# EAGLE board Mk4 Final a Panel score 2x5 (EAGLE 9.0.1), part 11 of 29 (continued)
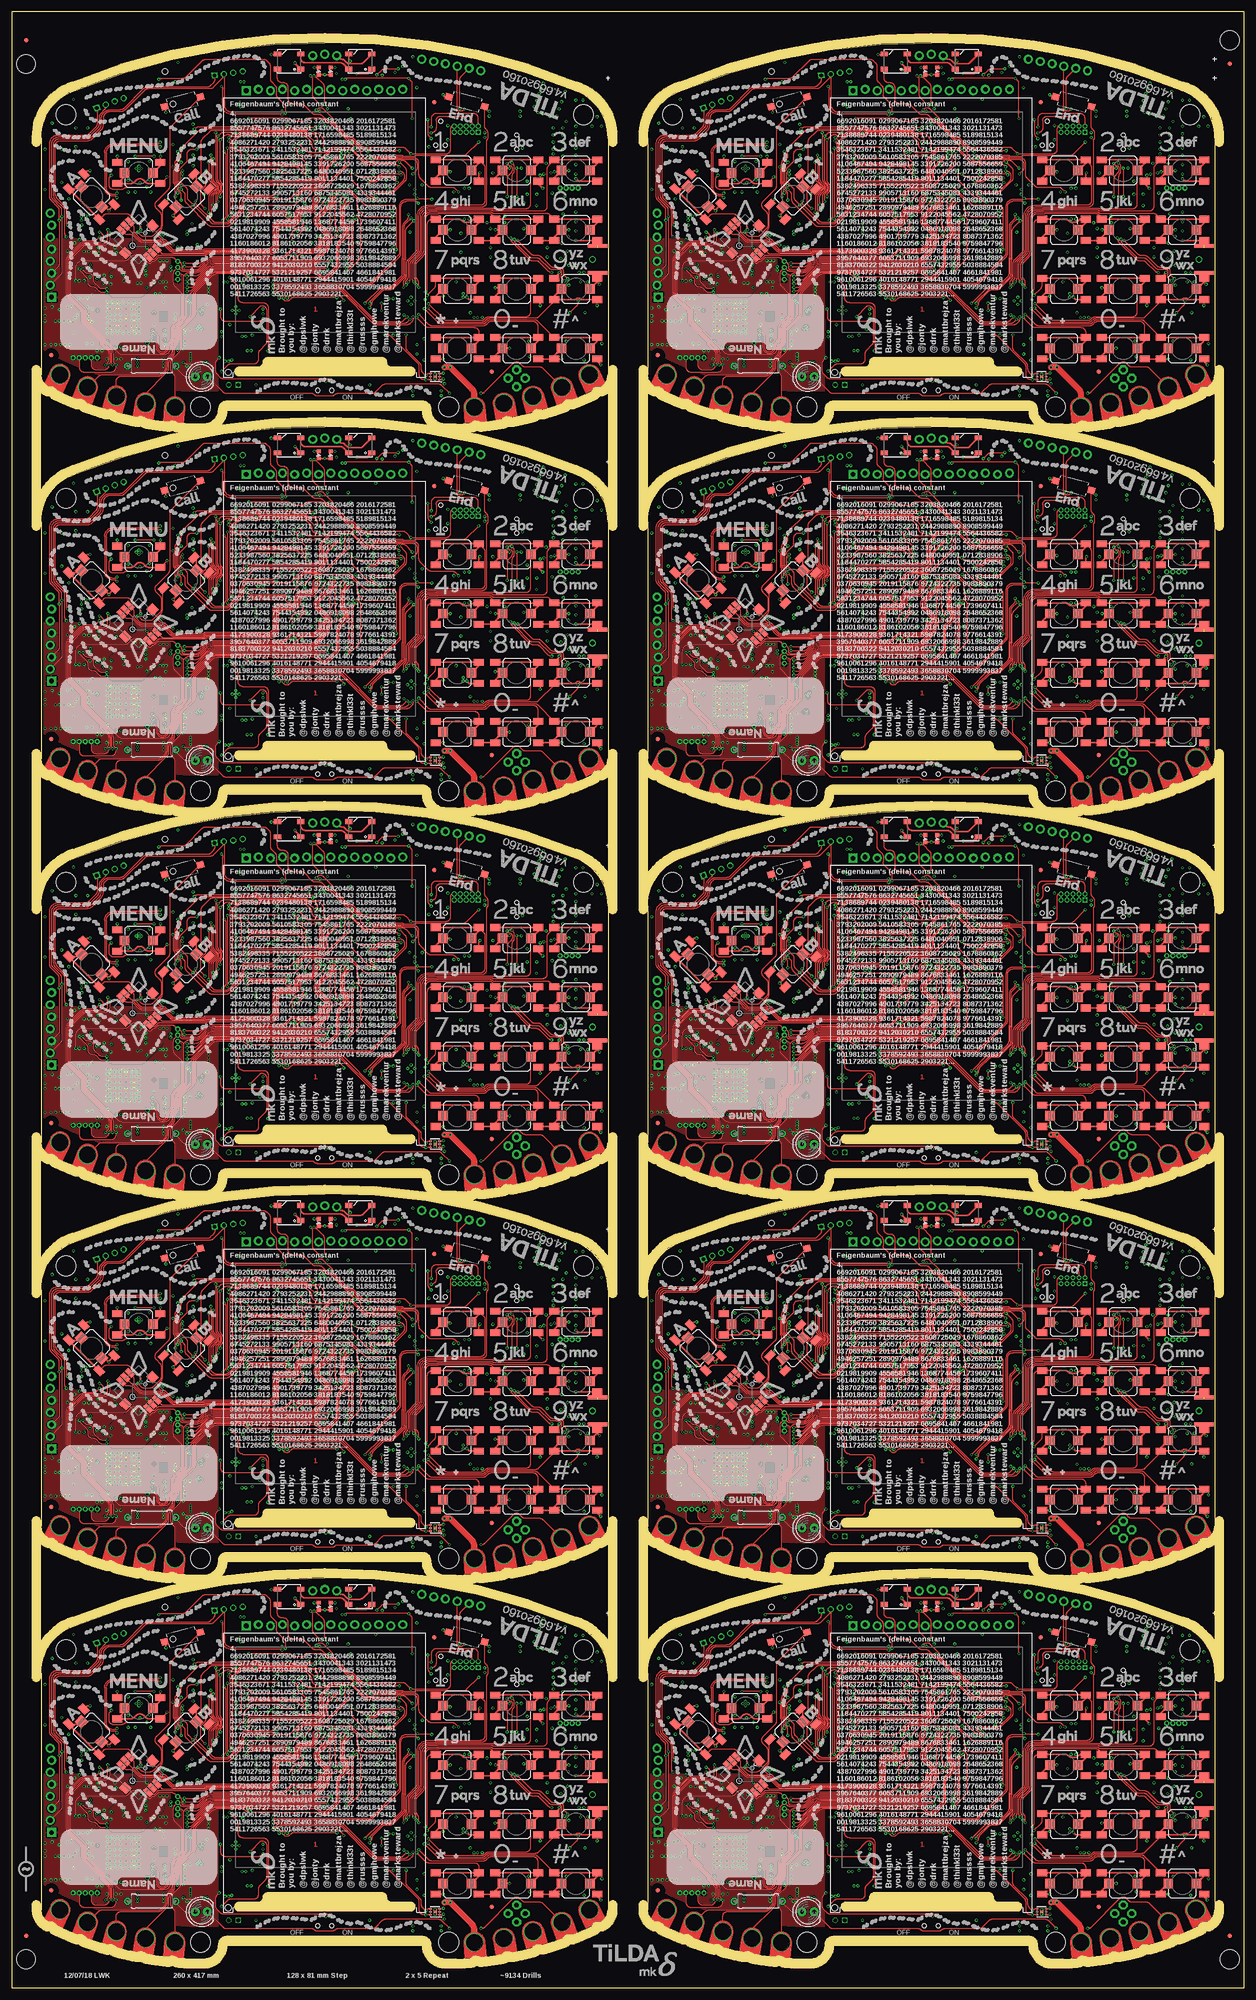
[diagram p0: board, top side]
## Tracks (layer width: path | path; a pad name or v marks a point on that pad's centre or on a via) (continued)
CC_!HIB6  (via drill 0.3)
  Top 0.15: v37,280.2 38.48,280.2 arc45 39.72,280.71 41.07,282.07 arc-45 42.84,282.8 63.05,282.8 arc45 64.29,283.31 66.71,285.73 arc45 67,286.44 67,286.89 arc-45 67.15,287.25 67.35,287.45 arc45 67.5,287.81 67.5,288.1 arc-90 68,288.6 68.89,288.6 arc45 69.59,288.89 69.73,289.03 arc45 70.03,289.74 70.03,289.97 70,289.99 arc45 69.82,290.44 69.59,290.66 arc-45 69.3,291.37 69.3,295.46 arc-45 69.22,295.64 69.22,295.86 arc-45 69.3,296.04 69.3,296.29 arc-45 69.45,296.65 v70.1,297.3
  Bottom 0.15: IC119.2 26.75,266.7 arc45 26.89,266.36 27.88,265.38 arc45 28.18,265.25 29.79,265.25 arc45 30.15,265.4 R497.1 30.88,265.37 arc45 31.23,265.23 32.3,265.23 arc90 32.8,265.73 32.8,267.5 arc-45 33.39,268.91 34.81,270.33 arc45 35.1,271.04 35.1,277.89 arc-45 35.39,278.59 v37,280.2 | IC110.124 71.22,297.4 arc-45 71.08,297.46 71.08,297.47 arc45 70.94,297.52 70.53,297.52 arc45 70.18,297.38 v70.1,297.3
CC_!HIB7  (via drill 0.3)
  Top 0.15: v165,280.2 166.48,280.2 arc45 167.72,280.71 169.07,282.07 arc-45 170.84,282.8 191.05,282.8 arc45 192.29,283.31 194.71,285.73 arc45 195,286.44 195,286.89 arc-45 195.15,287.25 195.35,287.45 arc45 195.5,287.81 195.5,288.1 arc-90 196,288.6 196.89,288.6 arc45 197.59,288.89 197.73,289.03 arc45 198.03,289.74 198.03,289.97 198,289.99 arc45 197.82,290.44 197.59,290.66 arc-45 197.3,291.37 197.3,295.46 arc-45 197.22,295.64 197.22,295.86 arc-45 197.3,296.04 197.3,296.29 arc-45 197.45,296.65 v198.1,297.3
  Bottom 0.15: IC137.2 154.75,266.7 arc45 154.89,266.36 155.88,265.38 arc45 156.18,265.25 157.79,265.25 arc45 158.15,265.4 R575.1 158.88,265.37 arc45 159.23,265.23 160.3,265.23 arc90 160.8,265.73 160.8,267.5 arc-45 161.39,268.91 162.81,270.33 arc45 163.1,271.04 163.1,277.89 arc-45 163.39,278.59 v165,280.2 | IC128.124 199.22,297.4 arc-45 199.08,297.46 199.08,297.47 arc45 198.94,297.52 198.53,297.52 arc45 198.18,297.38 v198.1,297.3
CC_!HIB8  (via drill 0.3)
  Top 0.15: v37,361.2 38.48,361.2 arc45 39.72,361.71 41.07,363.07 arc-45 42.84,363.8 63.05,363.8 arc45 64.29,364.31 66.71,366.73 arc45 67,367.44 67,367.89 arc-45 67.15,368.25 67.35,368.45 arc45 67.5,368.81 67.5,369.1 arc-90 68,369.6 68.89,369.6 arc45 69.59,369.89 69.73,370.03 arc45 70.03,370.74 70.03,370.97 70,370.99 arc45 69.82,371.44 69.59,371.66 arc-45 69.3,372.37 69.3,376.46 arc-45 69.22,376.64 69.22,376.86 arc-45 69.3,377.04 69.3,377.29 arc-45 69.45,377.65 v70.1,378.3
  Bottom 0.15: IC155.2 26.75,347.7 arc45 26.89,347.36 27.88,346.38 arc45 28.18,346.25 29.79,346.25 arc45 30.15,346.4 R653.1 30.88,346.37 arc45 31.23,346.23 32.3,346.23 arc90 32.8,346.73 32.8,348.5 arc-45 33.39,349.91 34.81,351.33 arc45 35.1,352.04 35.1,358.89 arc-45 35.39,359.59 v37,361.2 | IC146.124 71.22,378.4 arc-45 71.08,378.46 71.08,378.47 arc45 70.94,378.52 70.53,378.52 arc45 70.18,378.38 v70.1,378.3
CC_!HIB9  (via drill 0.3)
  Top 0.15: v165,361.2 166.48,361.2 arc45 167.72,361.71 169.07,363.07 arc-45 170.84,363.8 191.05,363.8 arc45 192.29,364.31 194.71,366.73 arc45 195,367.44 195,367.89 arc-45 195.15,368.25 195.35,368.45 arc45 195.5,368.81 195.5,369.1 arc-90 196,369.6 196.89,369.6 arc45 197.59,369.89 197.73,370.03 arc45 198.03,370.74 198.03,370.97 198,370.99 arc45 197.82,371.44 197.59,371.66 arc-45 197.3,372.37 197.3,376.46 arc-45 197.22,376.64 197.22,376.86 arc-45 197.3,377.04 197.3,377.29 arc-45 197.45,377.65 v198.1,378.3
  Bottom 0.15: IC173.2 154.75,347.7 arc45 154.89,347.36 155.88,346.38 arc45 156.18,346.25 157.79,346.25 arc45 158.15,346.4 R731.1 158.88,346.37 arc45 159.23,346.23 160.3,346.23 arc90 160.8,346.73 160.8,348.5 arc-45 161.39,349.91 162.81,351.33 arc45 163.1,352.04 163.1,358.89 arc-45 163.39,359.59 v165,361.2 | IC164.124 199.22,378.4 arc-45 199.08,378.46 199.08,378.47 arc45 198.94,378.52 198.53,378.52 arc45 198.18,378.38 v198.1,378.3
CC_!RESET  (via drill 0.3)
  Top 0.15: v67.2,54.5 67.2,53.95 arc45 67.35,53.6 67.38,53.56 arc-45 67.53,53.21 67.53,53.09 arc-45 67.45,52.9 arc45 67.3,52.55 67.3,52.54 arc-45 67.15,52.19 64.86,49.89 arc90 64.86,48.12 66.31,46.67 arc-45 66.6,45.96 66.6,45.41 arc-45 66.45,45.05 66.25,44.85 arc45 66.1,44.49 66.1,44.22 arc-45 65.51,42.81 63.7,40.99 arc-45 62.99,40.7 42.78,40.7 arc45 40.58,39.85 39.63,38.89 arc-45 38.92,38.6 36.3,38.6 arc-90 35.8,39.1 35.8,39.51 arc90 JP5.4 34.39,40.91 arc45 33.69,41.2 31.13,41.2 arc45 30.78,41.05 30.26,40.53 arc-45 29.94,40.4 arc45 29.59,40.25 29.28,39.95 arc-90 28.92,39.95 27.56,41.31 arc45 26.86,41.6 25.81,41.6 arc45 25.11,41.31 24.49,40.69 arc-45 23.79,40.4 14.9,40.4 arc90 13.4,38.9 13.4,36.34 v13.5,36.24 v13.5,36.25
  Bottom 0.15: IC1.12 67.8,53.69 arc45 67.65,54.05 v67.2,54.5
  Bottom 0.2: IC15.32 18.75,32.25 18.54,32.46 arc-45 18.25,33.16 18.25,33.5 arc90 17.25,34.5 R73.1 C60.2 arc-90 13.5,35.25 v13.5,36.25
CC_!RESET1  (via drill 0.3)
  Top 0.15: v195.2,54.5 195.2,53.95 arc45 195.35,53.6 195.38,53.56 arc-45 195.53,53.21 195.53,53.09 arc-45 195.45,52.9 arc45 195.3,52.55 195.3,52.54 arc-45 195.15,52.19 192.86,49.89 arc90 192.86,48.12 194.31,46.67 arc-45 194.6,45.96 194.6,45.41 arc-45 194.45,45.05 194.25,44.85 arc45 194.1,44.49 194.1,44.22 arc-45 193.51,42.81 191.7,40.99 arc-45 190.99,40.7 170.78,40.7 arc45 168.58,39.85 167.63,38.89 arc-45 166.92,38.6 164.3,38.6 arc-90 163.8,39.1 163.8,39.51 arc90 JP16.4 162.39,40.91 arc45 161.69,41.2 159.13,41.2 arc45 158.78,41.05 158.26,40.53 arc-45 157.94,40.4 arc45 157.58,40.25 157.28,39.95 arc-90 156.93,39.95 155.56,41.31 arc45 154.86,41.6 153.81,41.6 arc45 153.11,41.31 152.49,40.69 arc-45 151.79,40.4 142.9,40.4 arc90 141.4,38.9 141.4,36.34 v141.5,36.24 v141.5,36.25
  Bottom 0.15: IC20.12 195.8,53.69 arc45 195.65,54.05 v195.2,54.5
  Bottom 0.2: IC29.32 146.75,32.25 146.54,32.46 arc-45 146.25,33.16 146.25,33.5 arc90 145.25,34.5 R151.1 C187.2 arc-90 141.5,35.25 v141.5,36.25
CC_!RESET2  (via drill 0.3)
  Top 0.15: v67.2,135.5 67.2,134.95 arc45 67.35,134.6 67.38,134.56 arc-45 67.53,134.21 67.53,134.09 arc-45 67.45,133.9 arc45 67.3,133.55 67.3,133.54 arc-45 67.15,133.19 64.86,130.89 arc90 64.86,129.12 66.31,127.67 arc-45 66.6,126.96 66.6,126.41 arc-45 66.45,126.05 66.25,125.85 arc45 66.1,125.49 66.1,125.22 arc-45 65.51,123.81 63.7,121.99 arc-45 62.99,121.7 42.78,121.7 arc45 40.58,120.85 39.63,119.89 arc-45 38.92,119.6 36.3,119.6 arc-90 35.8,120.1 35.8,120.51 arc90 JP25.4 34.39,121.91 arc45 33.69,122.2 31.13,122.2 arc45 30.78,122.05 30.26,121.53 arc-45 29.94,121.4 arc45 29.59,121.25 29.28,120.95 arc-90 28.92,120.95 27.56,122.31 arc45 26.86,122.6 25.81,122.6 arc45 25.11,122.31 24.49,121.69 arc-45 23.79,121.4 14.9,121.4 arc90 13.4,119.9 13.4,117.34 v13.5,117.24 v13.5,117.25
  Bottom 0.15: IC38.12 67.8,134.69 arc45 67.65,135.05 v67.2,135.5
  Bottom 0.2: IC47.32 18.75,113.25 18.54,113.46 arc-45 18.25,114.16 18.25,114.5 arc90 17.25,115.5 R229.1 C295.2 arc-90 13.5,116.25 v13.5,117.25
CC_!RESET3  (via drill 0.3)
  Top 0.15: v195.2,135.5 195.2,134.95 arc45 195.35,134.6 195.38,134.56 arc-45 195.53,134.21 195.53,134.09 arc-45 195.45,133.9 arc45 195.3,133.55 195.3,133.54 arc-45 195.15,133.19 192.86,130.89 arc90 192.86,129.12 194.31,127.67 arc-45 194.6,126.96 194.6,126.41 arc-45 194.45,126.05 194.25,125.85 arc45 194.1,125.49 194.1,125.22 arc-45 193.51,123.81 191.7,121.99 arc-45 190.99,121.7 170.78,121.7 arc45 168.58,120.85 167.63,119.89 arc-45 166.92,119.6 164.3,119.6 arc-90 163.8,120.1 163.8,120.51 arc90 JP34.4 162.39,121.91 arc45 161.69,122.2 159.13,122.2 arc45 158.78,122.05 158.26,121.53 arc-45 157.94,121.4 arc45 157.58,121.25 157.28,120.95 arc-90 156.93,120.95 155.56,122.31 arc45 154.86,122.6 153.81,122.6 arc45 153.11,122.31 152.49,121.69 arc-45 151.79,121.4 142.9,121.4 arc90 141.4,119.9 141.4,117.34 v141.5,117.24 v141.5,117.25
  Bottom 0.15: IC56.12 195.8,134.69 arc45 195.65,135.05 v195.2,135.5
  Bottom 0.2: IC65.32 146.75,113.25 146.54,113.46 arc-45 146.25,114.16 146.25,114.5 arc90 145.25,115.5 R307.1 C403.2 arc-90 141.5,116.25 v141.5,117.25
CC_!RESET4  (via drill 0.3)
  Top 0.15: v67.2,216.5 67.2,215.95 arc45 67.35,215.6 67.38,215.56 arc-45 67.53,215.21 67.53,215.09 arc-45 67.45,214.9 arc45 67.3,214.55 67.3,214.54 arc-45 67.15,214.19 64.86,211.89 arc90 64.86,210.12 66.31,208.67 arc-45 66.6,207.96 66.6,207.41 arc-45 66.45,207.05 66.25,206.85 arc45 66.1,206.49 66.1,206.22 arc-45 65.51,204.81 63.7,202.99 arc-45 62.99,202.7 42.78,202.7 arc45 40.58,201.85 39.63,200.89 arc-45 38.92,200.6 36.3,200.6 arc-90 35.8,201.1 35.8,201.51 arc90 JP43.4 34.39,202.91 arc45 33.69,203.2 31.13,203.2 arc45 30.78,203.05 30.26,202.53 arc-45 29.94,202.4 arc45 29.59,202.25 29.28,201.95 arc-90 28.92,201.95 27.56,203.31 arc45 26.86,203.6 25.81,203.6 arc45 25.11,203.31 24.49,202.69 arc-45 23.79,202.4 14.9,202.4 arc90 13.4,200.9 13.4,198.34 v13.5,198.24 v13.5,198.25
  Bottom 0.15: IC74.12 67.8,215.69 arc45 67.65,216.05 v67.2,216.5
  Bottom 0.2: IC83.32 18.75,194.25 18.54,194.46 arc-45 18.25,195.16 18.25,195.5 arc90 17.25,196.5 R385.1 C511.2 arc-90 13.5,197.25 v13.5,198.25
CC_!RESET5  (via drill 0.3)
  Top 0.15: v195.2,216.5 195.2,215.95 arc45 195.35,215.6 195.38,215.56 arc-45 195.53,215.21 195.53,215.09 arc-45 195.45,214.9 arc45 195.3,214.55 195.3,214.54 arc-45 195.15,214.19 192.86,211.89 arc90 192.86,210.12 194.31,208.67 arc-45 194.6,207.96 194.6,207.41 arc-45 194.45,207.05 194.25,206.85 arc45 194.1,206.49 194.1,206.22 arc-45 193.51,204.81 191.7,202.99 arc-45 190.99,202.7 170.78,202.7 arc45 168.58,201.85 167.63,200.89 arc-45 166.92,200.6 164.3,200.6 arc-90 163.8,201.1 163.8,201.51 arc90 JP52.4 162.39,202.91 arc45 161.69,203.2 159.13,203.2 arc45 158.78,203.05 158.26,202.53 arc-45 157.94,202.4 arc45 157.58,202.25 157.28,201.95 arc-90 156.93,201.95 155.56,203.31 arc45 154.86,203.6 153.81,203.6 arc45 153.11,203.31 152.49,202.69 arc-45 151.79,202.4 142.9,202.4 arc90 141.4,200.9 141.4,198.34 v141.5,198.24 v141.5,198.25
  Bottom 0.15: IC92.12 195.8,215.69 arc45 195.65,216.05 v195.2,216.5
  Bottom 0.2: IC101.32 146.75,194.25 146.54,194.46 arc-45 146.25,195.16 146.25,195.5 arc90 145.25,196.5 R463.1 C619.2 arc-90 141.5,197.25 v141.5,198.25
CC_!RESET6  (via drill 0.3)
  Top 0.15: v67.2,297.5 67.2,296.95 arc45 67.35,296.6 67.38,296.56 arc-45 67.53,296.21 67.53,296.09 arc-45 67.45,295.9 arc45 67.3,295.55 67.3,295.54 arc-45 67.15,295.19 64.86,292.89 arc90 64.86,291.12 66.31,289.67 arc-45 66.6,288.96 66.6,288.41 arc-45 66.45,288.05 66.25,287.85 arc45 66.1,287.49 66.1,287.22 arc-45 65.51,285.81 63.7,283.99 arc-45 62.99,283.7 42.78,283.7 arc45 40.58,282.85 39.63,281.89 arc-45 38.92,281.6 36.3,281.6 arc-90 35.8,282.1 35.8,282.51 arc90 JP61.4 34.39,283.91 arc45 33.69,284.2 31.13,284.2 arc45 30.78,284.05 30.26,283.53 arc-45 29.94,283.4 arc45 29.59,283.25 29.28,282.95 arc-90 28.92,282.95 27.56,284.31 arc45 26.86,284.6 25.81,284.6 arc45 25.11,284.31 24.49,283.69 arc-45 23.79,283.4 14.9,283.4 arc90 13.4,281.9 13.4,279.34 v13.5,279.24 v13.5,279.25
  Bottom 0.15: IC110.12 67.8,296.69 arc45 67.65,297.05 v67.2,297.5
  Bottom 0.2: IC119.32 18.75,275.25 18.54,275.46 arc-45 18.25,276.16 18.25,276.5 arc90 17.25,277.5 R541.1 C727.2 arc-90 13.5,278.25 v13.5,279.25
CC_!RESET7  (via drill 0.3)
  Top 0.15: v195.2,297.5 195.2,296.95 arc45 195.35,296.6 195.38,296.56 arc-45 195.53,296.21 195.53,296.09 arc-45 195.45,295.9 arc45 195.3,295.55 195.3,295.54 arc-45 195.15,295.19 192.86,292.89 arc90 192.86,291.12 194.31,289.67 arc-45 194.6,288.96 194.6,288.41 arc-45 194.45,288.05 194.25,287.85 arc45 194.1,287.49 194.1,287.22 arc-45 193.51,285.81 191.7,283.99 arc-45 190.99,283.7 170.78,283.7 arc45 168.58,282.85 167.63,281.89 arc-45 166.92,281.6 164.3,281.6 arc-90 163.8,282.1 163.8,282.51 arc90 JP70.4 162.39,283.91 arc45 161.69,284.2 159.13,284.2 arc45 158.78,284.05 158.26,283.53 arc-45 157.94,283.4 arc45 157.58,283.25 157.28,282.95 arc-90 156.93,282.95 155.56,284.31 arc45 154.86,284.6 153.81,284.6 arc45 153.11,284.31 152.49,283.69 arc-45 151.79,283.4 142.9,283.4 arc90 141.4,281.9 141.4,279.34 v141.5,279.24 v141.5,279.25
  Bottom 0.15: IC128.12 195.8,296.69 arc45 195.65,297.05 v195.2,297.5
  Bottom 0.2: IC137.32 146.75,275.25 146.54,275.46 arc-45 146.25,276.16 146.25,276.5 arc90 145.25,277.5 R619.1 C835.2 arc-90 141.5,278.25 v141.5,279.25
CC_!RESET8  (via drill 0.3)
  Top 0.15: v67.2,378.5 67.2,377.95 arc45 67.35,377.6 67.38,377.56 arc-45 67.53,377.21 67.53,377.09 arc-45 67.45,376.9 arc45 67.3,376.55 67.3,376.54 arc-45 67.15,376.19 64.86,373.89 arc90 64.86,372.12 66.31,370.67 arc-45 66.6,369.96 66.6,369.41 arc-45 66.45,369.05 66.25,368.85 arc45 66.1,368.49 66.1,368.22 arc-45 65.51,366.81 63.7,364.99 arc-45 62.99,364.7 42.78,364.7 arc45 40.58,363.85 39.63,362.89 arc-45 38.92,362.6 36.3,362.6 arc-90 35.8,363.1 35.8,363.51 arc90 JP79.4 34.39,364.91 arc45 33.69,365.2 31.13,365.2 arc45 30.78,365.05 30.26,364.53 arc-45 29.94,364.4 arc45 29.59,364.25 29.28,363.95 arc-90 28.92,363.95 27.56,365.31 arc45 26.86,365.6 25.81,365.6 arc45 25.11,365.31 24.49,364.69 arc-45 23.79,364.4 14.9,364.4 arc90 13.4,362.9 13.4,360.34 v13.5,360.24 v13.5,360.25
  Bottom 0.15: IC146.12 67.8,377.69 arc45 67.65,378.05 v67.2,378.5
  Bottom 0.2: IC155.32 18.75,356.25 18.54,356.46 arc-45 18.25,357.16 18.25,357.5 arc90 17.25,358.5 R697.1 C943.2 arc-90 13.5,359.25 v13.5,360.25
CC_!RESET9  (via drill 0.3)
  Top 0.15: v195.2,378.5 195.2,377.95 arc45 195.35,377.6 195.38,377.56 arc-45 195.53,377.21 195.53,377.09 arc-45 195.45,376.9 arc45 195.3,376.55 195.3,376.54 arc-45 195.15,376.19 192.86,373.89 arc90 192.86,372.12 194.31,370.67 arc-45 194.6,369.96 194.6,369.41 arc-45 194.45,369.05 194.25,368.85 arc45 194.1,368.49 194.1,368.22 arc-45 193.51,366.81 191.7,364.99 arc-45 190.99,364.7 170.78,364.7 arc45 168.58,363.85 167.63,362.89 arc-45 166.92,362.6 164.3,362.6 arc-90 163.8,363.1 163.8,363.51 arc90 JP88.4 162.39,364.91 arc45 161.69,365.2 159.13,365.2 arc45 158.78,365.05 158.26,364.53 arc-45 157.94,364.4 arc45 157.58,364.25 157.28,363.95 arc-90 156.93,363.95 155.56,365.31 arc45 154.86,365.6 153.81,365.6 arc45 153.11,365.31 152.49,364.69 arc-45 151.79,364.4 142.9,364.4 arc90 141.4,362.9 141.4,360.34 v141.5,360.24 v141.5,360.25
  Bottom 0.15: IC164.12 195.8,377.69 arc45 195.65,378.05 v195.2,378.5
  Bottom 0.2: IC173.32 146.75,356.25 146.54,356.46 arc-45 146.25,357.16 146.25,357.5 arc90 145.25,358.5 R775.1 C1051.2 arc-90 141.5,359.25 v141.5,360.25
CC_!RTS
  Bottom 0.2: IC15.50 29.04,31.75 arc-45 29.4,31.6 29.65,31.35 arc45 30.01,31.2 32.05,31.2 arc90 32.55,31.7 32.55,31.8 R70.1
CC_!RTS1
  Bottom 0.2: IC29.50 157.04,31.75 arc-45 157.4,31.6 157.65,31.35 arc45 158.01,31.2 160.05,31.2 arc90 160.55,31.7 160.55,31.8 R148.1
CC_!RTS2
  Bottom 0.2: IC47.50 29.04,112.75 arc-45 29.4,112.6 29.65,112.35 arc45 30.01,112.2 32.05,112.2 arc90 32.55,112.7 32.55,112.8 R226.1
CC_!RTS3
  Bottom 0.2: IC65.50 157.04,112.75 arc-45 157.4,112.6 157.65,112.35 arc45 158.01,112.2 160.05,112.2 arc90 160.55,112.7 160.55,112.8 R304.1
CC_!RTS4
  Bottom 0.2: IC83.50 29.04,193.75 arc-45 29.4,193.6 29.65,193.35 arc45 30.01,193.2 32.05,193.2 arc90 32.55,193.7 32.55,193.8 R382.1
CC_!RTS5
  Bottom 0.2: IC101.50 157.04,193.75 arc-45 157.4,193.6 157.65,193.35 arc45 158.01,193.2 160.05,193.2 arc90 160.55,193.7 160.55,193.8 R460.1
CC_!RTS6
  Bottom 0.2: IC119.50 29.04,274.75 arc-45 29.4,274.6 29.65,274.35 arc45 30.01,274.2 32.05,274.2 arc90 32.55,274.7 32.55,274.8 R538.1
CC_!RTS7
  Bottom 0.2: IC137.50 157.04,274.75 arc-45 157.4,274.6 157.65,274.35 arc45 158.01,274.2 160.05,274.2 arc90 160.55,274.7 160.55,274.8 R616.1
CC_!RTS8
  Bottom 0.2: IC155.50 29.04,355.75 arc-45 29.4,355.6 29.65,355.35 arc45 30.01,355.2 32.05,355.2 arc90 32.55,355.7 32.55,355.8 R694.1
CC_!RTS9
  Bottom 0.2: IC173.50 157.04,355.75 arc-45 157.4,355.6 157.65,355.35 arc45 158.01,355.2 160.05,355.2 arc90 160.55,355.7 160.55,355.8 R772.1
CC_IRQ  (via drill 0.3)
  Top 0.15: v20.25,23.44 20.27,23.41 20.27,23.23 22.56,20.94 arc45 23.26,20.65 32.15,20.65 arc90 33.4,21.9 arc-45 33.91,23.14 33.96,23.18 arc45 34.4,24.25 34.4,25.6 arc-45 34.99,27.01 36.12,28.15 arc45 36.56,29.21 36.56,32.02 arc-45 36.86,32.73 41.99,37.86 arc-45 43.05,38.3 63.69,38.3 arc-45 64.39,38.01 64.91,37.49 arc45 65.61,37.2 65.89,37.2 arc45 66.59,37.49 68.21,39.11 arc45 68.5,39.81 68.5,43.68 arc-45 68.94,44.74 69.96,45.76 arc45 70.33,46.64 70.33,47.09 70.3,47.12 arc45 70.12,47.56 69.89,47.78 arc-45 69.6,48.49 69.6,51.44 arc-45 69.89,52.15 70.13,52.39 arc45 70.28,52.74 70.28,53.27 arc-45 70.42,53.62 v70.8,54
  Bottom 0.15: R72.1 20.25,21.75 v20.25,23.44 IC15.15 | IC1.123 72.82,54.8 arc45 72.78,54.78 arc-45 72.64,54.73 72.36,54.73 arc-45 72.22,54.78 72.17,54.84 arc45 72.03,54.9 70.08,54.9 arc90 69.58,54.4 69.58,54.2 arc90 70.08,53.7 70.5,53.7 v70.8,54
CC_IRQ1  (via drill 0.3)
  Top 0.15: v148.25,23.44 148.28,23.41 148.28,23.23 150.56,20.94 arc45 151.26,20.65 160.15,20.65 arc90 161.4,21.9 arc-45 161.91,23.14 161.96,23.18 arc45 162.4,24.25 162.4,25.6 arc-45 162.99,27.01 164.12,28.15 arc45 164.56,29.21 164.56,32.02 arc-45 164.86,32.73 169.99,37.86 arc-45 171.05,38.3 191.69,38.3 arc-45 192.39,38.01 192.91,37.49 arc45 193.61,37.2 193.89,37.2 arc45 194.59,37.49 196.21,39.11 arc45 196.5,39.81 196.5,43.68 arc-45 196.94,44.74 197.96,45.76 arc45 198.32,46.64 198.32,47.09 198.3,47.12 arc45 198.12,47.56 197.89,47.78 arc-45 197.6,48.49 197.6,51.44 arc-45 197.89,52.15 198.13,52.39 arc45 198.28,52.74 198.28,53.27 arc-45 198.42,53.62 v198.8,54
  Bottom 0.15: R150.1 148.25,21.75 v148.25,23.44 IC29.15 | IC20.123 200.82,54.8 arc45 200.78,54.78 arc-45 200.63,54.73 200.37,54.73 arc-45 200.22,54.78 200.17,54.84 arc45 200.03,54.9 198.07,54.9 arc90 197.57,54.4 197.57,54.2 arc90 198.07,53.7 198.5,53.7 v198.8,54
CC_IRQ2  (via drill 0.3)
  Top 0.15: v20.25,104.44 20.27,104.41 20.27,104.22 22.56,101.94 arc45 23.26,101.65 32.15,101.65 arc90 33.4,102.9 arc-45 33.91,104.14 33.96,104.19 arc45 34.4,105.25 34.4,106.6 arc-45 34.99,108.01 36.12,109.15 arc45 36.56,110.21 36.56,113.02 arc-45 36.86,113.73 41.99,118.86 arc-45 43.05,119.3 63.69,119.3 arc-45 64.39,119.01 64.91,118.49 arc45 65.61,118.2 65.89,118.2 arc45 66.59,118.49 68.21,120.11 arc45 68.5,120.81 68.5,124.68 arc-45 68.94,125.74 69.96,126.76 arc45 70.33,127.64 70.33,128.09 70.3,128.12 arc45 70.12,128.56 69.89,128.78 arc-45 69.6,129.49 69.6,132.44 arc-45 69.89,133.15 70.13,133.39 arc45 70.28,133.74 70.28,134.27 arc-45 70.42,134.62 v70.8,135
  Bottom 0.15: R228.1 20.25,102.75 v20.25,104.44 IC47.15 | IC38.123 72.82,135.8 arc45 72.78,135.78 arc-45 72.64,135.72 72.36,135.72 arc-45 72.22,135.78 72.17,135.84 arc45 72.03,135.9 70.08,135.9 arc90 69.58,135.4 69.58,135.2 arc90 70.08,134.7 70.5,134.7 v70.8,135
CC_IRQ3  (via drill 0.3)
  Top 0.15: v148.25,104.44 148.28,104.41 148.28,104.22 150.56,101.94 arc45 151.26,101.65 160.15,101.65 arc90 161.4,102.9 arc-45 161.91,104.14 161.96,104.19 arc45 162.4,105.25 162.4,106.6 arc-45 162.99,108.01 164.12,109.15 arc45 164.56,110.21 164.56,113.02 arc-45 164.86,113.73 169.99,118.86 arc-45 171.05,119.3 191.69,119.3 arc-45 192.39,119.01 192.91,118.49 arc45 193.61,118.2 193.89,118.2 arc45 194.59,118.49 196.21,120.11 arc45 196.5,120.81 196.5,124.68 arc-45 196.94,125.74 197.96,126.76 arc45 198.32,127.64 198.32,128.09 198.3,128.12 arc45 198.12,128.56 197.89,128.78 arc-45 197.6,129.49 197.6,132.44 arc-45 197.89,133.15 198.13,133.39 arc45 198.28,133.74 198.28,134.27 arc-45 198.42,134.62 v198.8,135
  Bottom 0.15: R306.1 148.25,102.75 v148.25,104.44 IC65.15 | IC56.123 200.82,135.8 arc45 200.78,135.78 arc-45 200.63,135.72 200.37,135.72 arc-45 200.22,135.78 200.17,135.84 arc45 200.03,135.9 198.07,135.9 arc90 197.57,135.4 197.57,135.2 arc90 198.07,134.7 198.5,134.7 v198.8,135
CC_IRQ4  (via drill 0.3)
  Top 0.15: v20.25,185.44 20.27,185.41 20.27,185.22 22.56,182.94 arc45 23.26,182.65 32.15,182.65 arc90 33.4,183.9 arc-45 33.91,185.14 33.96,185.19 arc45 34.4,186.25 34.4,187.6 arc-45 34.99,189.01 36.12,190.15 arc45 36.56,191.21 36.56,194.02 arc-45 36.86,194.73 41.99,199.86 arc-45 43.05,200.3 63.69,200.3 arc-45 64.39,200.01 64.91,199.49 arc45 65.61,199.2 65.89,199.2 arc45 66.59,199.49 68.21,201.11 arc45 68.5,201.81 68.5,205.68 arc-45 68.94,206.74 69.96,207.76 arc45 70.33,208.64 70.33,209.09 70.3,209.12 arc45 70.12,209.56 69.89,209.78 arc-45 69.6,210.49 69.6,213.44 arc-45 69.89,214.15 70.13,214.39 arc45 70.28,214.74 70.28,215.27 arc-45 70.42,215.62 v70.8,216
  Bottom 0.15: R384.1 20.25,183.75 v20.25,185.44 IC83.15 | IC74.123 72.82,216.8 arc45 72.78,216.78 arc-45 72.64,216.72 72.36,216.72 arc-45 72.22,216.78 72.17,216.84 arc45 72.03,216.9 70.08,216.9 arc90 69.58,216.4 69.58,216.2 arc90 70.08,215.7 70.5,215.7 v70.8,216
CC_IRQ5  (via drill 0.3)
  Top 0.15: v148.25,185.44 148.28,185.41 148.28,185.22 150.56,182.94 arc45 151.26,182.65 160.15,182.65 arc90 161.4,183.9 arc-45 161.91,185.14 161.96,185.19 arc45 162.4,186.25 162.4,187.6 arc-45 162.99,189.01 164.12,190.15 arc45 164.56,191.21 164.56,194.02 arc-45 164.86,194.73 169.99,199.86 arc-45 171.05,200.3 191.69,200.3 arc-45 192.39,200.01 192.91,199.49 arc45 193.61,199.2 193.89,199.2 arc45 194.59,199.49 196.21,201.11 arc45 196.5,201.81 196.5,205.68 arc-45 196.94,206.74 197.96,207.76 arc45 198.32,208.64 198.32,209.09 198.3,209.12 arc45 198.12,209.56 197.89,209.78 arc-45 197.6,210.49 197.6,213.44 arc-45 197.89,214.15 198.13,214.39 arc45 198.28,214.74 198.28,215.27 arc-45 198.42,215.62 v198.8,216
  Bottom 0.15: R462.1 148.25,183.75 v148.25,185.44 IC101.15 | IC92.123 200.82,216.8 arc45 200.78,216.78 arc-45 200.63,216.72 200.37,216.72 arc-45 200.22,216.78 200.17,216.84 arc45 200.03,216.9 198.07,216.9 arc90 197.57,216.4 197.57,216.2 arc90 198.07,215.7 198.5,215.7 v198.8,216
CC_IRQ6  (via drill 0.3)
  Top 0.15: v20.25,266.44 20.27,266.41 20.27,266.23 22.56,263.94 arc45 23.26,263.65 32.15,263.65 arc90 33.4,264.9 arc-45 33.91,266.14 33.96,266.19 arc45 34.4,267.25 34.4,268.6 arc-45 34.99,270.01 36.12,271.15 arc45 36.56,272.21 36.56,275.02 arc-45 36.86,275.73 41.99,280.86 arc-45 43.05,281.3 63.69,281.3 arc-45 64.39,281.01 64.91,280.49 arc45 65.61,280.2 65.89,280.2 arc45 66.59,280.49 68.21,282.11 arc45 68.5,282.81 68.5,286.68 arc-45 68.94,287.74 69.96,288.76 arc45 70.33,289.64 70.33,290.09 70.3,290.12 arc45 70.12,290.56 69.89,290.78 arc-45 69.6,291.49 69.6,294.44 arc-45 69.89,295.15 70.13,295.39 arc45 70.28,295.74 70.28,296.27 arc-45 70.42,296.62 v70.8,297
  Bottom 0.15: R540.1 20.25,264.75 v20.25,266.44 IC119.15 | IC110.123 72.82,297.8 arc45 72.78,297.78 arc-45 72.64,297.73 72.36,297.73 arc-45 72.22,297.78 72.17,297.84 arc45 72.03,297.9 70.08,297.9 arc90 69.58,297.4 69.58,297.2 arc90 70.08,296.7 70.5,296.7 v70.8,297
CC_IRQ7  (via drill 0.3)
  Top 0.15: v148.25,266.44 148.28,266.41 148.28,266.23 150.56,263.94 arc45 151.26,263.65 160.15,263.65 arc90 161.4,264.9 arc-45 161.91,266.14 161.96,266.19 arc45 162.4,267.25 162.4,268.6 arc-45 162.99,270.01 164.12,271.15 arc45 164.56,272.21 164.56,275.02 arc-45 164.86,275.73 169.99,280.86 arc-45 171.05,281.3 191.69,281.3 arc-45 192.39,281.01 192.91,280.49 arc45 193.61,280.2 193.89,280.2 arc45 194.59,280.49 196.21,282.11 arc45 196.5,282.81 196.5,286.68 arc-45 196.94,287.74 197.96,288.76 arc45 198.32,289.64 198.32,290.09 198.3,290.12 arc45 198.12,290.56 197.89,290.78 arc-45 197.6,291.49 197.6,294.44 arc-45 197.89,295.15 198.13,295.39 arc45 198.28,295.74 198.28,296.27 arc-45 198.42,296.62 v198.8,297
  Bottom 0.15: R618.1 148.25,264.75 v148.25,266.44 IC137.15 | IC128.123 200.82,297.8 arc45 200.78,297.78 arc-45 200.63,297.73 200.37,297.73 arc-45 200.22,297.78 200.17,297.84 arc45 200.03,297.9 198.07,297.9 arc90 197.57,297.4 197.57,297.2 arc90 198.07,296.7 198.5,296.7 v198.8,297
CC_IRQ8  (via drill 0.3)
  Top 0.15: v20.25,347.44 20.27,347.41 20.27,347.23 22.56,344.94 arc45 23.26,344.65 32.15,344.65 arc90 33.4,345.9 arc-45 33.91,347.14 33.96,347.19 arc45 34.4,348.25 34.4,349.6 arc-45 34.99,351.01 36.12,352.15 arc45 36.56,353.21 36.56,356.02 arc-45 36.86,356.73 41.99,361.86 arc-45 43.05,362.3 63.69,362.3 arc-45 64.39,362.01 64.91,361.49 arc45 65.61,361.2 65.89,361.2 arc45 66.59,361.49 68.21,363.11 arc45 68.5,363.81 68.5,367.68 arc-45 68.94,368.74 69.96,369.76 arc45 70.33,370.64 70.33,371.09 70.3,371.12 arc45 70.12,371.56 69.89,371.78 arc-45 69.6,372.49 69.6,375.44 arc-45 69.89,376.15 70.13,376.39 arc45 70.28,376.74 70.28,377.27 arc-45 70.42,377.62 v70.8,378
  Bottom 0.15: R696.1 20.25,345.75 v20.25,347.44 IC155.15 | IC146.123 72.82,378.8 arc45 72.78,378.78 arc-45 72.64,378.73 72.36,378.73 arc-45 72.22,378.78 72.17,378.84 arc45 72.03,378.9 70.08,378.9 arc90 69.58,378.4 69.58,378.2 arc90 70.08,377.7 70.5,377.7 v70.8,378
CC_IRQ9  (via drill 0.3)